# KiCad board WiRoc_NanoPi.kicad_pcb (continued)
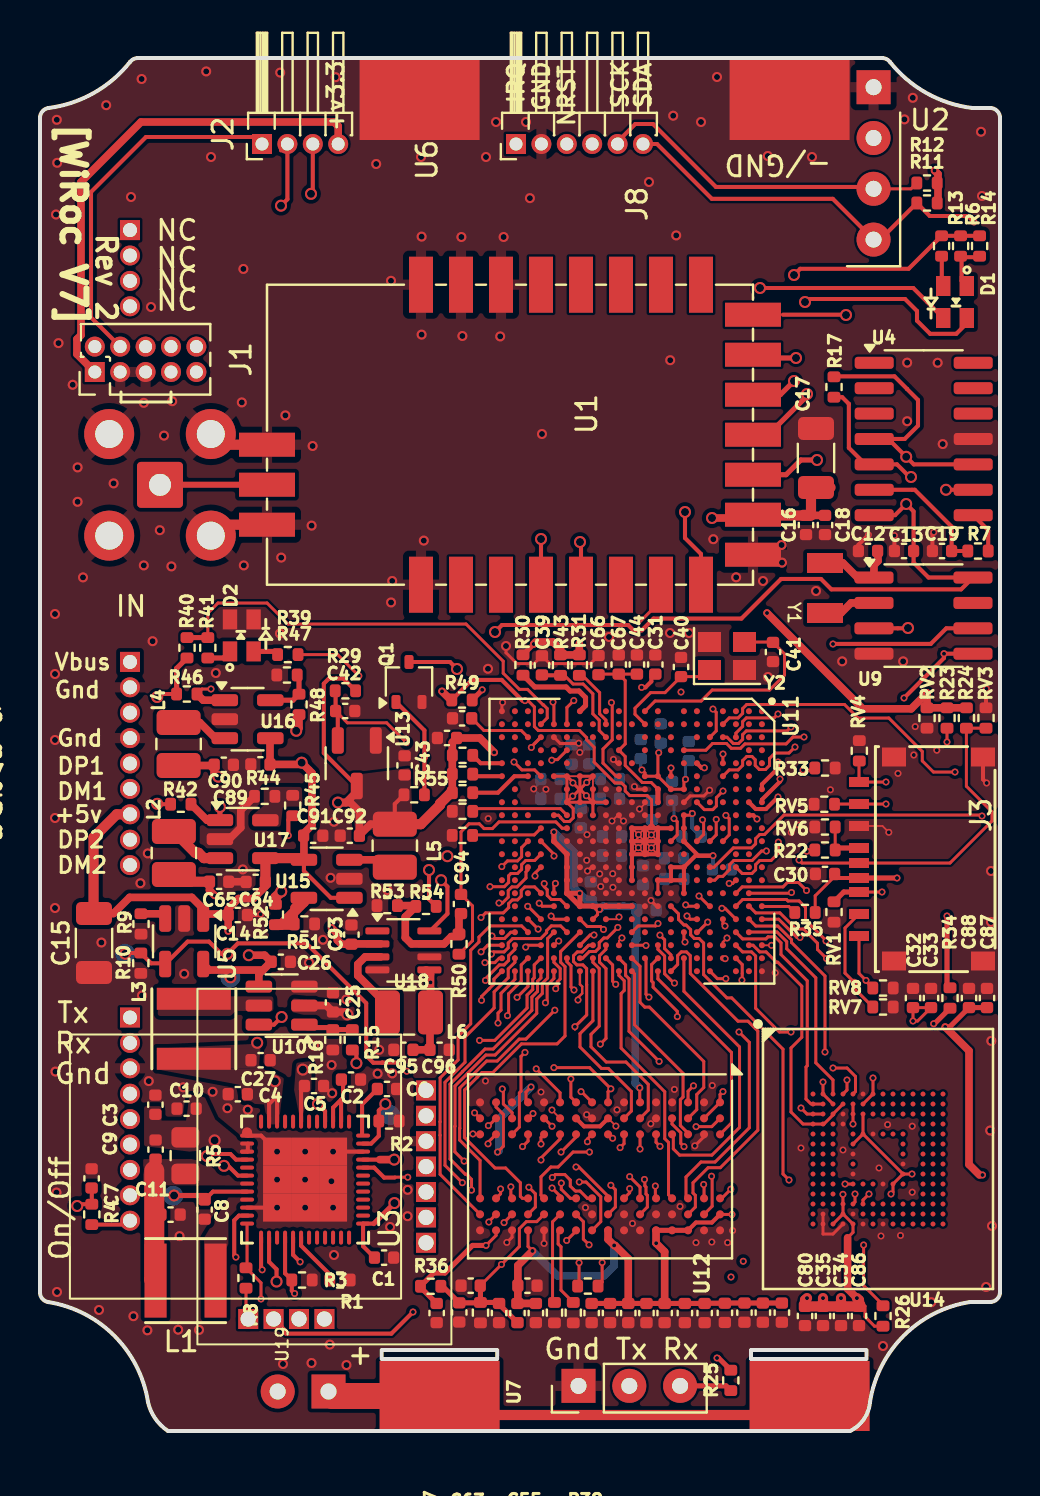
[diagram p0: board, top side]
## Copper pours and planes (outline as drawn; the poured copper is in the pictures) (continued)
BAT on Top: 5.2,14.24 7.48,13.97 8.27,14.05 9.18,14.01 9.8,13.77 10.62,13.79 10.59,14.47 9.97,14.58 8.76,15.58 8.25,16.68 7.48,16.83 7.3,15.52 6.08,15.52 6.05,16.24 5.2,16.24
IPSOUT on Top: 11.94,15.34 11.38,15.33 11.21,16.33 10.17,16.39 9.99,17.3 5.86,18.08 9.46,19.1 12.2,17.64
IPSOUT on Top: 12.6,21.64 15.77,21.31 15.65,20.49 14.15,20.58 12.58,20.95
IPSOUT on Top: 5.83,19.13 5.87,18.07 10.94,18.15 11.04,19.37
Net-(U3-CHSENCE) on Top: 10.39,12.28 10.4,12.7 9.83,12.7 8.87,12.96 8.34,13.4 7.58,13.6 5.16,13.59 5.16,12.29
Net-(U3-LX1) on Top: 9.83,11.67 10.41,11.68 10.41,11.5 9.3,9.09 9.28,6.27 8.24,6.27 8.2,9.66 9.43,11.7
Net-(U10-LX) on Top: 5.93,21.72 11.67,21.74 11.67,20.98 9.79,21.01 9.54,20.75 5.88,20.75
Net-(U15-FB) on Top: 12.02,30.21 12.15,31.18 13.12,31.21 13.09,32.2 11.19,32.21 11.19,31.27 10.62,30.79 10.62,30.21

## Text on the board
F.Silkscreen: Vbus | Gnd | +5v | DP1 | DM1 | DP2 | DM2 | +v3.3 | IRQ | GND | NRST | SCK | SDA | Rx | Tx | IN | NC | + | Gnd Tx Rx | On/Off | -/GND | Rev 2 | [WiRoc V7]
